# Altium PCB joy.PcbDoc
Units mil, origin at the board's own origin, x right, y up, seen from the top; angles counter-clockwise.
Board outline 3891.38 x 2896.04 mil, 2 copper layers (Top Layer, Bottom Layer); 39 components, 50 nets, 167 pads, 64 vias.
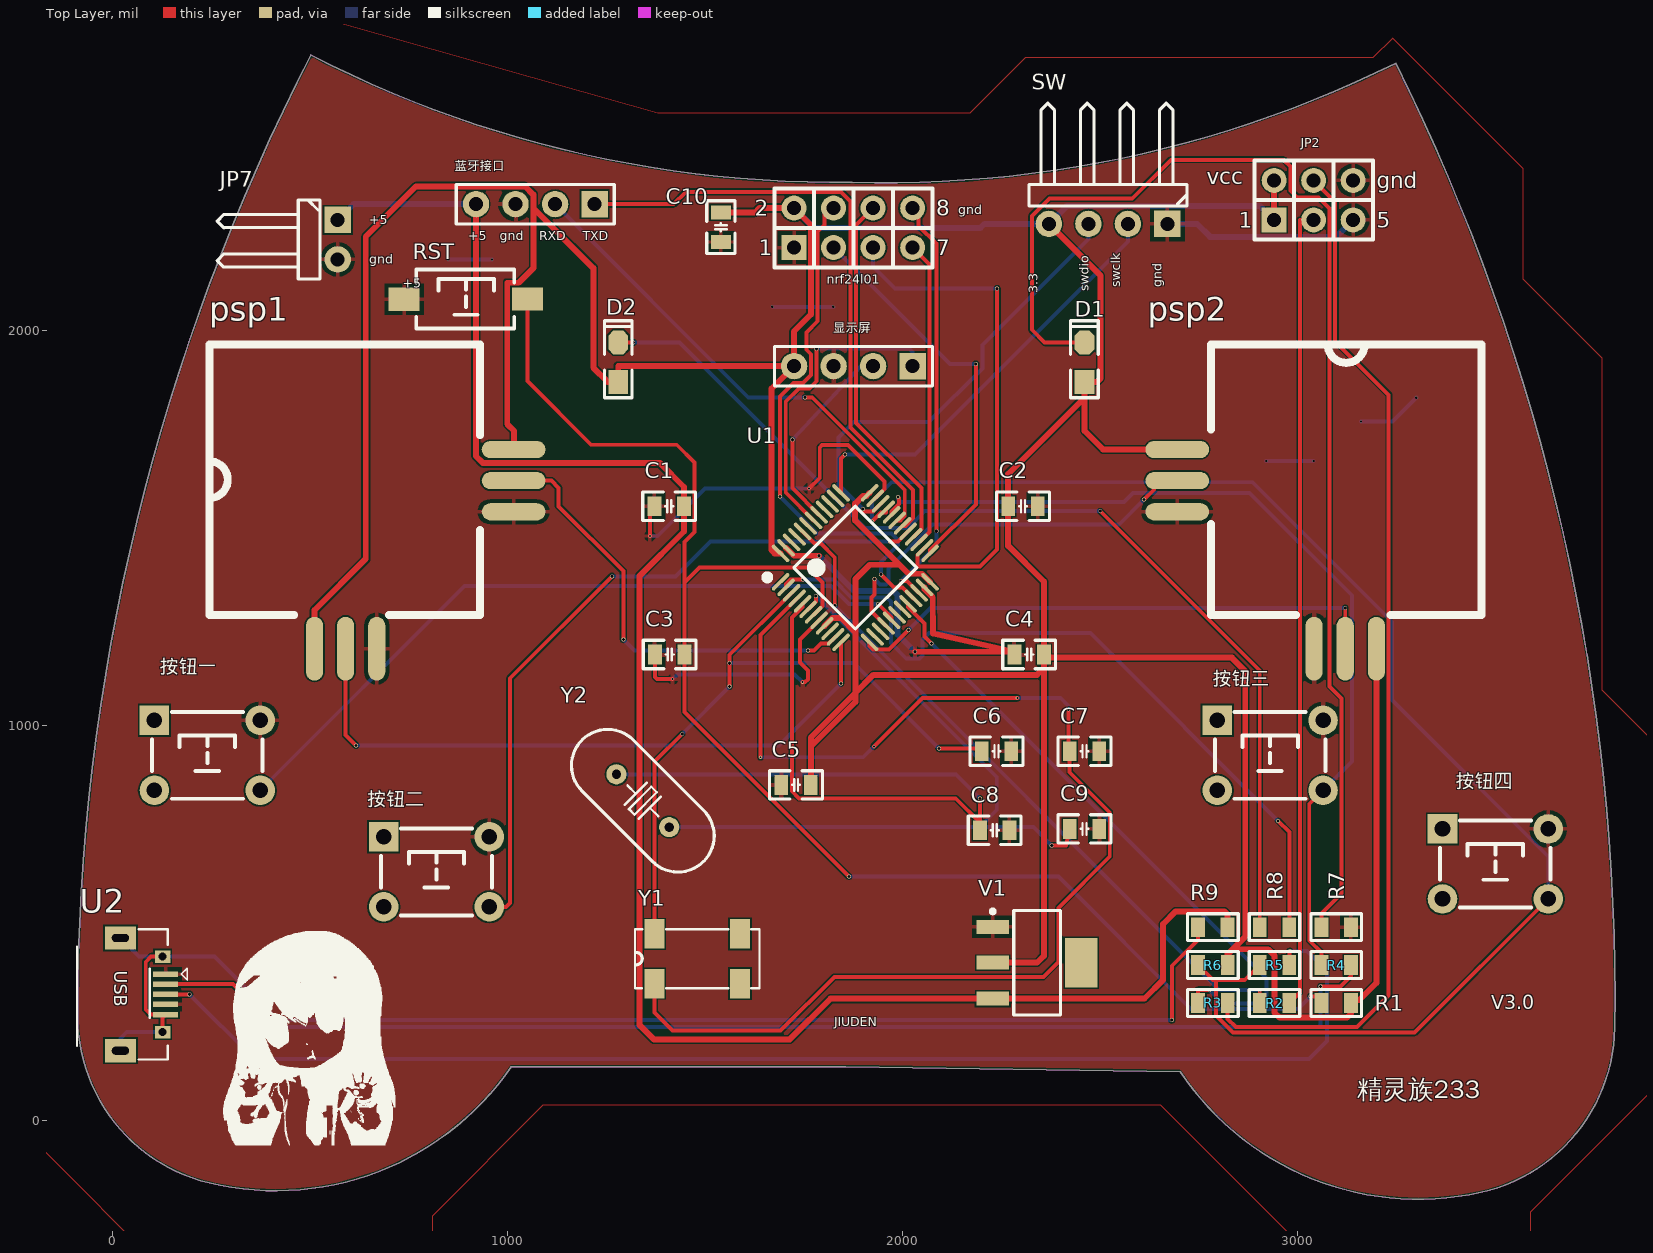
[diagram p0: Top Layer view]
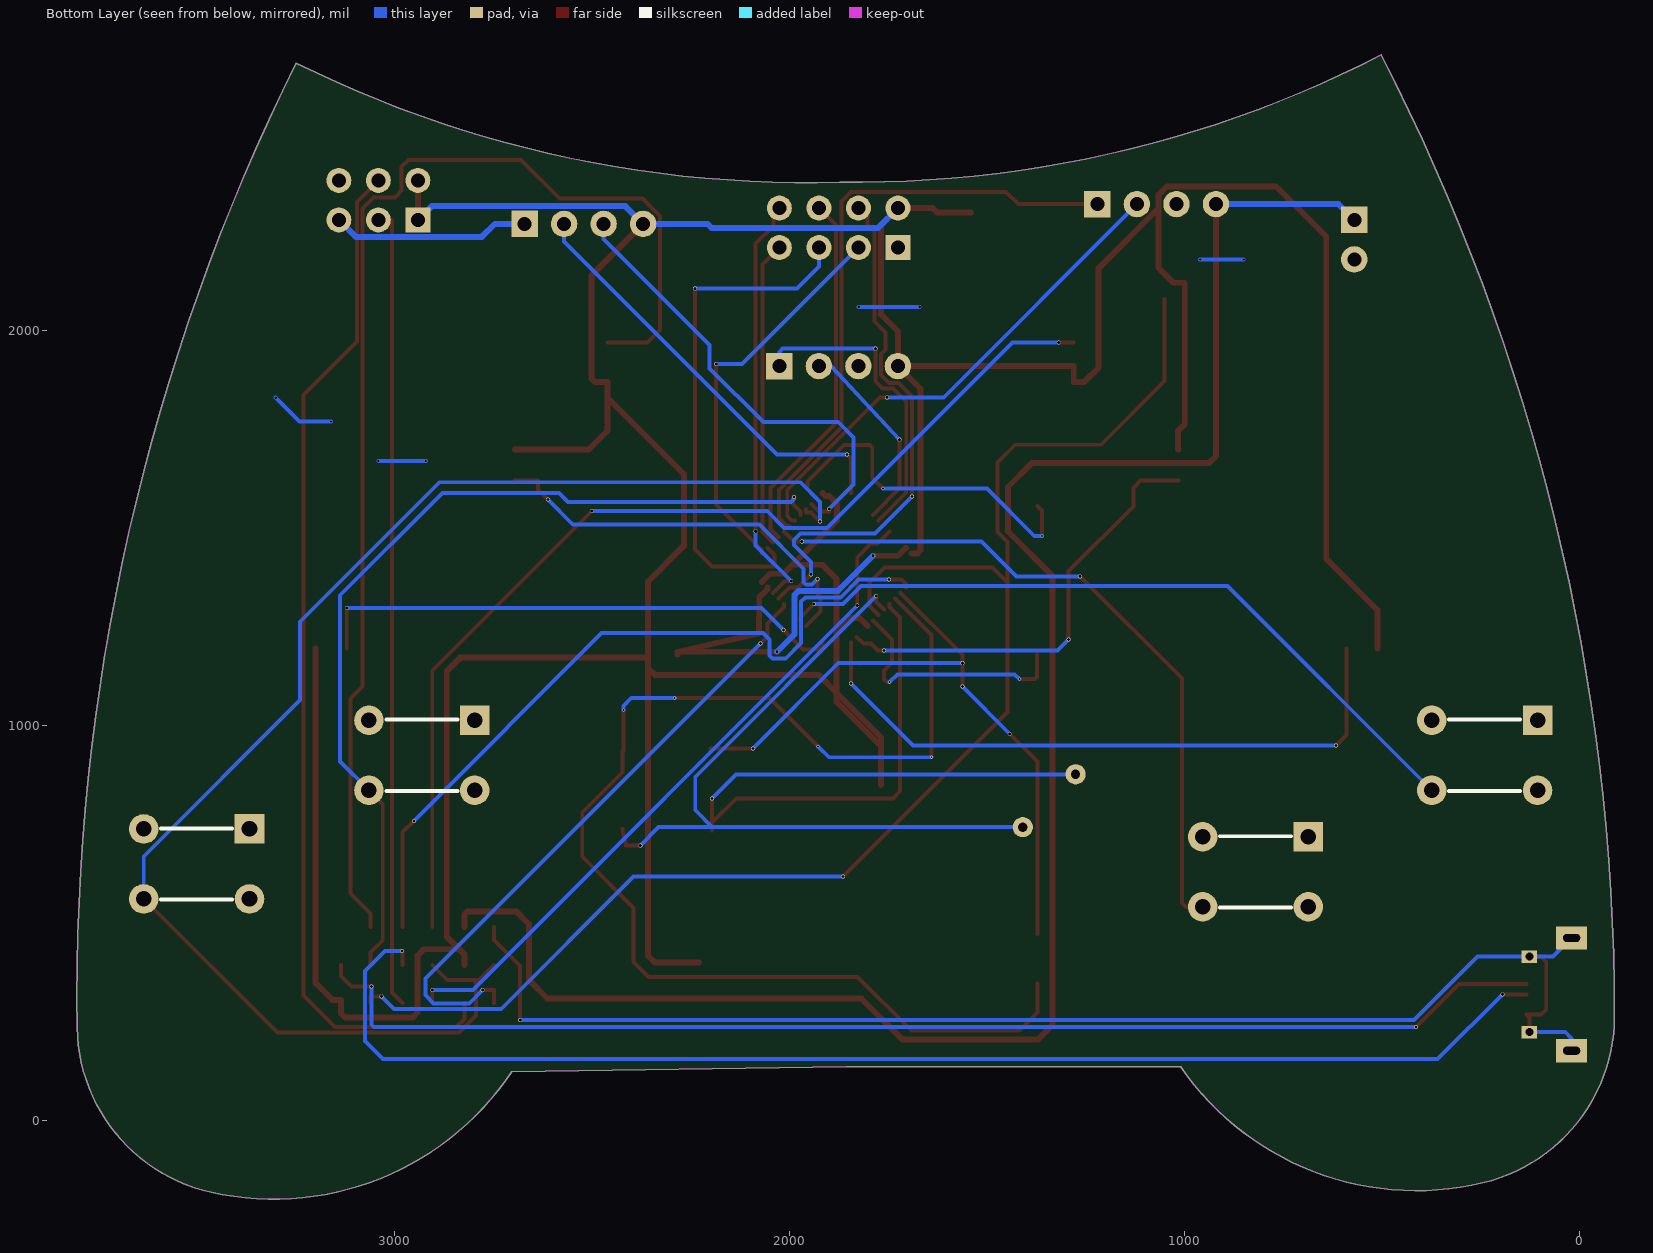
[diagram p1: Bottom Layer view, seen from below]

## Layer stack, top to bottom
Top Solder: solder mask 0.4, Solder Resist, Dk 3.5
Top Layer: signal copper 1.4
Dielectric 1: dielectric 12.6, FR-4, Dk 4.8
Bottom Layer: signal copper 1.4
Bottom Solder: solder mask 0.4, Solder Resist, Dk 3.5

## Board outline
244.5,-157.25 cw(c345.17,264.58) -88.5,264.58 cw(c5216.45,264.58) 502.27,2697.5 ccw(c1828.77,5267.79) 1872.79,2375.72 ccw(c1960.09,5266.81) 3247.97,2676.96 cw(c-1502.07,314.84) 3802.28,235.47 cw(c3368.66,241.96) 3463,-181.32 cw(c3305.38,525.91) 2702.44,124.04 1856.04,136.71 1009.55,136.71 cw(c412.69,547.55)

## Design rules (kind name [scope] priority, off if disabled: settings)
Clearance [All] p1: gap=3.94 ignorepadtopadclearanceinfootprint=FALSE except(6.69: Arc-Via Track-Via; 9.84: Via-Via)
PolygonConnect [All] p1: connectstyle=Relief reliefconductorwidth=10 reliefentries=4 polygonreliefangle="90 Angle" airgapwidth=10
RoutingVias [All] p1: holewidth=8 width=10 viastyle="Through Hole" minholewidth=3 minwidth=4 maxholewidth=5 maxwidth=8
SolderMaskExpansion [All] p1: expansion=4
Width POWER [InNetClass('power')] p1: maxlimit=40 minlimit=5 preferedwidth=15
Width [All] p2: maxlimit=10 minlimit=5 preferedwidth=10
30 further rules are at their usual default settings.

## Classes and differential pairs
net class power: +5 GND VCC

## Components (designator, comment, footprint, x,y, rotation, side; value= is the part's Value field where it differs from the comment)
C1 "106" "C 0805_L" 1408.99,1555.57 r0 top
C2 "104" "C 0805_L" 2304.33,1555.56 r180 top
C3 "104" "C 0805_L" 1410,1180 r0 top
C4 "104" "C 0805_L" 2320,1180 r0 top
C5 "104" "C 0805_L" 1730,850 r0 top
C6 "104" "C 0805_L" 2237.4,935 r0 top
C7 "104" "C 0805_L" 2460,935 r0 top
C8 "104" "C 0805_L" 2232.6,735 r180 top
C9 "104" "C 0805_L" 2460,738.58 r180 top
C10 "10uf" "C 0805_L" 1539.8,2261.58 r90 top
D1 "LED" "LED 0805G" 2460,1920 r90 top
D2 "LED" "LED 0805G" 1280,1920 r90 top
JP2 "Header3X2" HDR2.54-LI-2x3P 3040,2330 r0 top
JP7 "HDR-1X2" HDR2.54-WI-2P 570,2230 r270 top
nrf24l01 "Header 4X2" HDR2.54-LI-2x4P 1875,2260 r0 top
psp1 "1" PSP摇杆 590,1620 r0 top
psp2 "" PSP摇杆 3120,1620 r270 top
R1 "10K" "R 0805_L" 3097.05,298 r0 top
R2 "1K" "R 0805_L" 2941.05,298 r0 top
R3 "1K" "R 0805_L" 2785.05,298 r180 top
R4 "1K" "R 0805_L" 3097.04,394 r180 top
R5 "1K" "R 0805_L" 2941.04,394 r180 top
R6 "1K" "R 0805_L" 2785.04,394 r180 top
R7 "680" "R 0805_L" 3097.05,490 r180 top
R8 "680" "R 0805_L" 2941.05,490 r0 top
R9 "1K" "R 0805_L" 2785.05,490 r0 top
RST "3x6x5" "TSW SMD-3*6*2.5" 895.2,2080 r0 top (schematic designator SW1)
SW "HDR-1X4" HDR2.54-WI-4P 2520,2270 r180 top
U1 "STM32F103C8T6" "TQFP48 7x7_L" 1880,1400 r315 top
U2 "USB-mrico" USB-micro_B 20,320 r270 top
V1 "AMS1117-3V3" SOT223_L 2340,400 r0 top
Y1 "32.768K" MC-306 1480,410 r0 top
Y2 "12MHz" "OSC HC-49S" 1342.18,810 r135 top
按钮一 "6x6x5" "TSW DIP-6*6*6" 240,925 r0 top (schematic designator SW2)
按钮三 "6x6x5" "TSW DIP-6*6*6" 2930,925 r0 top (schematic designator SW4)
按钮二 "6x6x5" "TSW DIP-6*6*6" 820,630 r0 top (schematic designator SW3)
按钮四 "6x6x5" "TSW DIP-6*6*6" 3500,650 r0 top (schematic designator SW5)
显示屏 "HDR-1X4" HDR2.54-M-LI-4P 1875,1910 r180 top (schematic designator JP6)
蓝牙接口 "HDR-1X4" HDR2.54-M-LI-4P 1070,2320 r180 top (schematic designator JP5)

## Footprints (in the part's own frame and the unit in brackets; to place one, negate y for a bottom-side part, rotate by r counter-clockwise, add the part's x,y. Pads: shape width x height; smd on the part's side, far side on the other; paste and mask are expansions set on the pad)
"C 0805_L" [mil] "无极性贴片电容                                        淘宝ID:黄晶宝石"
  rect 35x50 smd: 1(-37.4,0) 2(37.4,0)
  silkscreen extent -67,-36 67,36, body extent -39,-24 39,24, height 20
HDR2.54-LI-2x3P [mm] "双排排针，3x2脚"
  rect 1.6x1.6 hole 0.9: 1(-2.54,-1.27)
  round 1.6 hole 0.9: 2(-2.54,1.27) 3(0,-1.27) 4(0,1.27) 5(2.54,-1.27) 6(2.54,1.27)
  silkscreen extent -3.81,-2.54 3.81,2.54, body extent -3.81,-2.54 3.81,2.54, height 8.5
HDR2.54-LI-2x4P [mm] "双排排针，4x2脚"
  rect 1.6x1.6 hole 0.9: 1(-3.81,-1.27)
  round 1.6 hole 0.9: 2(-3.81,1.27) 3(-1.27,-1.27) 4(-1.27,1.27) 5(1.27,-1.27) 6(1.27,1.27) 7(3.81,-1.27) 8(3.81,1.27)
  silkscreen extent -5.08,-2.54 5.08,2.54, body extent -5.08,-2.54 5.08,2.54, height 8.5
HDR2.54-M-LI-4P [mm] "排母，4脚"
  rect 1.7x1.7 hole 0.9: 1(-3.81,0)
  round 1.7 hole 0.9: 2(-1.27,0) 3(1.27,0) 4(3.81,0)
  silkscreen extent -5.08,-1.27 5.08,1.27, body extent -5.08,-1.27 5.08,1.27, height 8.5
HDR2.54-WI-2P [mm] "弯脚排针，2脚"
  rect 1.7x1.7 hole 0.9: 1(-1.27,0)
  round 1.7 hole 0.9: 2(1.27,0)
  silkscreen extent -2.54,-7.76 2.54,-1.14, body extent -2.54,-7.77 2.54,1.27, height 4.85
HDR2.54-WI-4P [mm] "弯脚排针，4脚"
  rect 1.7x1.7 hole 0.9: 1(-3.81,0)
  round 1.7 hole 0.9: 2(-1.27,0) 3(1.27,0) 4(3.81,0)
  silkscreen extent -5.08,-7.76 5.08,-1.14, body extent -5.08,-7.77 5.08,1.27, height 4.85
"LED 0805G" [mil] "绿色0805LED"
  rect 60x50 smd: 1(-50,0)
  oct 60x50 smd: 2(50,0)
  silkscreen extent -90,-35 105,35, body extent -39,-25 39,25, height 32
MC-306 [mm]
  rect 1.3x1.9 smd: 1(-2.75,-1.6) 2(2.75,-1.6) 3(2.75,1.6) 4(-2.75,1.6)
  silkscreen extent -4,-1.9 4,1.9
"OSC HC-49S" [mm]
  round 1.3 hole 0.6: 1(-2.4,0) 2(2.4,0)
  silkscreen extent -5.52,-2.32 5.52,2.33, body extent -5.52,-2.32 5.53,2.33, height 4.13
PSP摇杆 [mm]
  oval 4.1x1.1 smd: 1(10.8,2) 2(10.8,0) 3(10.8,-2)
  oval 1.1x4.1 smd: 4(-2,-10.8) 5(0,-10.8) 6(2,-10.8)
  silkscreen extent -8.76,-8.64 8.64,8.76
"R 0805_L" [mil] "1/8W贴片电阻"
  rect 35x50 smd: 1(-37.4,0) 2(37.4,0)
  silkscreen extent -64,-34 64,34, body extent -39,-25 39,25, height 20
SOT223_L [mm] "SOT223, 4-Leads, Body 6.5x3.5mm, Pitch 2.3mm, Lead Span 7mm, IPC High Density"
  rect 2.1x0.9 smd: 1(-2.85,2.3) 2(-2.85,0) 3(-2.85,-2.3)
  rect 2.1x3.2 smd: 4(2.85,0)
  silkscreen extent -2.97,-3.35 1.5,3.42, body extent -1.85,-3.35 1.85,3.35, height 1.7
"TQFP48 7x7_L" [mm] "48脚，体宽：7x7mm, 脚距：0.5mm"
  oval 0.25x1.5 smd: 1(-2.75,-4.046) 2(-2.25,-4.046) 3(-1.75,-4.046) 4(-1.25,-4.046) 5(-0.75,-4.046) 6(-0.25,-4.046) 7(0.25,-4.046) 8(0.75,-4.046) 9(1.25,-4.046) 10(1.75,-4.046) 11(2.25,-4.046) 12(2.75,-4.046) 25(2.75,4.046) 26(2.25,4.046) 27(1.75,4.046) 28(1.25,4.046) 29(0.75,4.046) 30(0.25,4.046) 31(-0.25,4.046) 32(-0.75,4.046) 33(-1.25,4.046) 34(-1.75,4.046) 35(-2.25,4.046) 36(-2.75,4.046)
  oval 1.5x0.25 smd: 13(4.046,-2.75) 14(4.046,-2.25) 15(4.046,-1.75) 16(4.046,-1.25) 17(4.046,-0.75) 18(4.046,-0.25) 19(4.046,0.25) 20(4.046,0.75) 21(4.046,1.25) 22(4.046,1.75) 23(4.046,2.25) 24(4.046,2.75) 37(-4.046,2.75) 38(-4.046,2.25) 39(-4.046,1.75) 40(-4.046,1.25) 41(-4.046,0.75) 42(-4.046,0.25) 43(-4.046,-0.25) 44(-4.046,-0.75) 45(-4.046,-1.25) 46(-4.046,-1.75) 47(-4.046,-2.25) 48(-4.046,-2.75)
  silkscreen extent -3.68,-4.57 2.79,2.79, body extent -4.5,-4.5 4.5,4.5, height 1.05
"TSW DIP-6*6*6" [mm] "6*6*6mm"
  rect 1.9x1.9 hole 1: 1(-3.4,2.25)
  round 1.9 hole 1: 2(-3.4,-2.25) 3(3.4,-2.25) 4(3.4,2.25)
  silkscreen extent -3.56,-2.79 3.56,2.79, body extent -4.11,-3 4.11,3, height 5.95
"TSW SMD-3*6*2.5" [mm] "3*6*2.5mm"
  rect 2x1.5 smd: 1(-3.996,-0.02) 2(3.937,0)
  silkscreen extent -3.21,-1.9 3.09,1.9, body extent -4,-1.88 4,1.62, height 2.59
USB-micro_B [mm] "micro型USB ，5.7*7.8*2.5mm"
  rect 0.35x1.6 smd: 1(-1.3,2.9) 2(-0.65,2.9) 3(0,2.9) 4(0.65,2.9) 5(1.3,2.9)
  rect 1.5x2 hole 0.5 slot 1.1 at 90 deg: 5(-3.625,0) 5(3.625,0)
  rect 0.8x1 hole 0.5: 5(-2.425,2.71) 5(2.425,2.71)
  silkscreen extent -4.19,-2.79 4.19,4.3, body extent -4,-2.71 4,2.89, height 2.8

## Part data
C1 C2 C3 C4 C5 C6 C7 C8 C9 C10: library part C, "贴片电容"
JP2: library part "Header 3X2", "3*2P接插件"
JP7: library part "Header 2", "2P接插件"
nrf24l01: "4*2P接插件"
psp1 psp2: library part PSP摇杆
R1 R2 R3 R4 R5 R6 R7 R8 R9: library part R, "贴片电阻"
RST: library part "TSW 3x6", "3x6轻触开关", BOM名称=3x6, 学习资源=https://shop463601444.t
SW 显示屏 蓝牙接口: library part "Header 4", "4P接插件"
  显示屏 蓝牙接口: BOM名称=4, 学习资源=https://shop463601444.t
U2: library part usb-STM
V1: library part AMS1117, "三端稳压芯片", 欢迎光临淘宝店铺=https://sho, 淘宝ID=封
Y1: library part XTAL, LatestRevisionDate=17-Jul-2002, LatestRevisionNote="Re-released for DXP Platform.", Published=8-Jun-2000, Publisher="Altium Limited"
Y2: library part XTAL-2P, "2脚无源脚晶振"
按钮一 按钮三 按钮二 按钮四: library part "TSW DIP-6x6", "直插6x6轻触开关", BOM名称=ֱ, 唯一出售店铺网址=https://sho

## Via types
v1: diameter 10, hole 8, Top Layer to Bottom Layer, 48 vias
v2: diameter 5.91/5.91 (per signal layer), hole 5.91, Top Layer to Bottom Layer, 8 vias
v3: diameter 8, hole 5, Top Layer to Bottom Layer, 8 vias

## Nets (pads, with @x,y where several pads share a name; then routed paths per layer and width w, separated by ;. In a path a pad name is that pad's centre, name@x,y a point inside that pad or via, vN(x,y) a via of type N, cw(c..) or ccw(c..) an arc to the next point about the centre after c; other vN are vias at no path point)
+5: C1.2 JP7.1 R9.2 V1.3 蓝牙接口.4 | length 4727.6
  Top Layer w15: 蓝牙接口.4 920,1682 937,1665 1385.39,1665 1446.39,1604 C1.2 1446.39,1491.39 1334,1379 1334,242 1370,206 1714,206 1817.45,309.45 V1.3 2612,309.45 2659,356.45 2659,498 2691,530 2814.44,530 2822.44,522 R9.2
  Bottom Layer w15: JP7.1 610,2320 蓝牙接口.4
BOOT0: R2.1 U1.44 | length 1742.5
  Top Layer w10: U1.44 1777.24,1461 1793,1461 1828,1426 v1(1828,1303.85) ; R2.1 v1(2903.64,331)
  Bottom Layer w10: v1(1828,1303.85) 2800.85,331 v1(2903.64,331)
BOOT1: R3.2 U1.20 | length 1595.3
  Top Layer w10: U1.20 2013.52,1300.01 2055,1258.52 2055,1226 v1(2073,1208) ; R3.2 2747.65,331 v1(2776,331)
  Bottom Layer w10: v1(2073,1208) 2921,360 2921,318 2900,297 2810,297 v1(2776,331)
GND: C1.1 C2.1 C3.1 C4.1 C5.1 C6.2 C7.2 C8.1 C9.1 C10.1 JP2.5 JP2.6 JP7.2 nrf24l01.1 psp1.3 psp1.6 psp2.3 psp2.6 R7.1 RST.1 SW.1 U1.8 U1.23 U1.35 U1.47 U2.1 U2.4 V1.1 按钮一.4 按钮三.4 按钮二.4 按钮四.4 显示屏.3 蓝牙接口.3 | length 3684.6
  Top Layer w10: v3(1360,1480) 1360,1543.98 C1.1 ; C3.1 1372.6,1123.59 1378.45,1117.73 v3(1417.73,1117.73) ; v3(1746.48,1110) 1753.08,1110 1760,1116.92 1760,1140 1740,1160 1740,1218.24 U1.8 ; v3(1763,1600) 1790,1627 1790,1704.14 1795.86,1710 1862,1710 1953.7,1618.3 1953.7,1599.08 1930,1575.39 U1.35
  Top Layer w15: U1.47 1724.72,1430 v1(1788,1430) ; v1(2031,1187) C4.1@2282.6,1187 ; U1.23 2055.27,1345.3 2076,1324.57 2077,1233 C4.1@2282.6,1187 ; C4.1 C4.1@2282.6,1187
  Bottom Layer w10: v2(850,2180) v2(960,2180) ; v3(1360,1480) 1380,1480 1500,1600 v3(1763,1600) ; v3(1417.73,1117.73) 1430,1130 1726.48,1130 v3(1746.48,1110) ; v2(1670,2060) v2(1824.43,2060) ; v2(2920,1670) v2(3040,1670) ; v2(3160,1770) 3240,1770 v2(3300,1830)
  Bottom Layer w15: v1(1788,1430) 1876.87,1341.13 1976,1341.13 1987.13,1330 1987.13,1230.87 v1(2031,1187) ; SW.1 2745,2270 2778,2237 3097,2237 JP2.5
NetD1_2: D1.2 R7.2 | length 3186.1
  Top Layer w10: D1.2 2359,1970 2327,2002 2327,2290 2371,2334 2581,2334 2679,2432 2964,2432 2981,2415 2981,2354 2998,2337 3052.43,2337 3080.43,2309 3080.43,1099.57 3111,1069 3111,575.35 3059.65,524 R7.2
NetD2_2: D2.2 R8.1 | length 2652.4
  Top Layer w10: D2.2 v1(1318,1970) ; v1(2500,1543) 2903.64,1139.36 R8.1
  Bottom Layer w10: v1(1318,1970) 1435.31,1970 1905,1500.31 2013,1500.31 2055.69,1543 v1(2500,1543)
NetJP2_3: JP2.3 R2.2 | length 2028
  Top Layer w10: R2.2 3005,324.55 3005,2280 JP2.3
NetJP2_4: JP2.4 R3.1 | length 2631.1
  Top Layer w10: R3.1 2822.45,258 2843.45,237 3150,237 3230,317 3230,1837 3094.37,1972.63 3094.37,2325.63 JP2.4
NetR4_1: R4.1 U2.2 | length 3183.3
  Top Layer w10: U2.2 305,345.59 v1(413.59,237) ; v1(3057,340) 3108,340 3134.45,366.45 R4.1
  Bottom Layer w10: v1(413.59,237) 3051,237 3057,243 v1(3057,340)
NetR5_1: R5.1 U2.3 | length 3355.6
  Top Layer w10: U2.3 v1(195,320) ; R5.1 2978.45,428.45 v1(2980,430)
  Bottom Layer w10: v1(195,320) 359,156 3028,156 3074,202 3074,379 3023,430 v1(2980,430)
NetR9_1: R9.1 U2.5 | length 3425.2
  Top Layer w10: U2.5@126.69,224.53 126.69,261.34 134.17,268.82 97.31,268.82 84.13,282 84.13,402 97.6,415.47 U2.5@126.69,415.47 ; v1(2681,255) 2681,391.36 2747.64,458 R9.1
  Bottom Layer w10: U2.5@20,177.28 20,208.53 36,224.53 U2.5@126.69,224.53 ; U2.5@20,462.72 67.24,415.47 126.69,415.47 258.53,415.47 419,255 v1(2681,255)
NRST: C3.2 R1.1 RST.2 U1.7 | length 3784.4
  Top Layer w10: RST.2 1050,2080 1050,1872 1211,1711 1428,1711 1473,1666 1473,1490 1447.4,1464.4 1447.4,1362 ; U1.7 1797,1303.08 1797,1362 1759,1400 1485.4,1400 1447.4,1362 ; v1(1864,618) 1447.4,1034.6 C3.2 1447.4,1362 ; v1(3032,315) 3059.64,315 R1.1
  Bottom Layer w10: v1(1864,618) 2394,618 2729,283 3000,283 v1(3032,315)
OSCIN: C8.2 U1.5 Y2.2 | length 2019.2
  Top Layer w10: U1.5 1746.48,1300.01 1720,1273.52 1720,834 1738,816 2134.2,816 C8.2@2195.2,755 ; C8.2 C8.2@2195.2,755 ; v1(2195.2,816) C8.2@2195.2,755
  Bottom Layer w10: Y2.2 2134.38,876.81 v1(2195.2,816)
OSCOUT: C9.2 U1.6 Y2.1 | length 1900.3
  Top Layer w10: U1.6 1780,1313.92 v1(1780,1328) ; v1(2377,697) 2413.6,697 C9.2
  Bottom Layer w10: Y2.1 2195.19,743.19 ; v1(1780,1328) 2238,870 2238,786 2195.19,743.19 ; v1(2377,697) 2330.81,743.19 2195.19,743.19
PA0: U1.10
PA1: psp1.2 U1.11 | length 1136.2
  Top Layer w10: psp1.2 1111,1620 1129,1602 1129,1555 1293,1391 v1(1293,1218) ; v1(1760,1190) 1775.55,1190 1792.94,1207.39 1812.66,1207.39 U1.11
  Bottom Layer w10: v1(1293,1218) 1321,1190 v1(1760,1190)
PA2: psp1.5 U1.12 | length 1652.4
  Top Layer w10: psp1.5 590,976 v1(616,950) ; v1(1843.92,1106.92) U1.12
  Bottom Layer w10: v1(616,950) 1687,950 v1(1843.92,1106.92)
PA3: psp2.2 U1.13 | length 1363.1
  Top Layer w10: U1.13 1916.08,1202 1925.08,1193 1965,1193 v1(2014.42,1242.42) ; psp2.2 v1(3120,1298)
  Bottom Layer w10: v1(2014.42,1242.42) 2070,1298 v1(3120,1298)
PA4: U1.14
PA5: U1.15
PA6: psp2.5 U1.16 | length 1050.8
  Top Layer w10: v1(1928.75,1371.31) 1928.75,1332.14 1921.31,1324.69 1921.31,1289.1 U1.16 ; v1(2611,1572) 2636,1597 2636,1620 psp2.5
  Bottom Layer w10: v1(1928.75,1371.31) 1942.48,1357.57 1958.26,1357.57 1963.68,1362.98 1963.68,1397.05 2075.62,1509 2548,1509 v1(2611,1572)
PA7: U1.17 按钮一.3 | length 1852.4
  Top Layer w10: v1(1938,1308) 1971.76,1274.24 U1.17
  Bottom Layer w10: 按钮一.3 890.57,1353.13 1818.49,1353.13 1863.62,1308 v1(1938,1308)
PA8: U1.29 按钮二.3 | length 1786.4
  Top Layer w10: 按钮二.3 996,541.42 1006,551.42 1006,1120 v1(1264,1378) ; v1(1968.24,1466) 1987.76,1466 U1.29
  Bottom Layer w10: v1(1264,1378) 1425,1378 1513,1466 v1(1968.24,1466)
PA9: U1.30 蓝牙接口.1 | length 1572.8
  Top Layer w10: 蓝牙接口.1 1420,2320 1451,2351 1844,2351 1868,2327 1868,1755.05 2026.18,1596.88 2026.18,1525.21 2006.64,1505.68 U1.30
PA10: U1.31 蓝牙接口.2 | length 1274.8
  Top Layer w10: v1(1753,1831) 1771,1831 2005.18,1596.83 2005.18,1530.96 1993.82,1519.6 U1.31
  Bottom Layer w10: 蓝牙接口.2 1609,1831 v1(1753,1831)
PA11: R4.2 U1.32 按钮三.3 | length 2322.3
  Top Layer w10: U1.32 1971.78,1541.77 1991,1560.99 1991,1576 v1(1988,1579) ; R4.2 3059.65,426 3029,456.65 3029,801.56 按钮三.3
  Bottom Layer w10: v1(1988,1579) 1988,1574 1996,1566 2560,1566 2583,1589 2878,1589 3137,1330 3137,909.56 按钮三.3
PA12: R5.2 R6.2 U1.33 按钮四.3 | length 3726.6
  Top Layer w10: v1(1922,1517) 1945,1540 1957.84,1540 U1.33 ; R6.2 2773.33,368.33 2785.65,356 2793,356 ; R5.2 2865.64,356 2793,356 ; 按钮四.3 3295.44,223 2836,223 2793,266 2793,356
  Bottom Layer w10: v1(1922,1517) 1922,1566 1972,1616 2885,1616 3238,1263 3238,1064.86 3633.86,669 按钮四.3
PA15: U1.38
PB0: U1.18
PB1: U1.19
PB3: U1.39
PB4: U1.40
PB5: U1.41 显示屏.2 | length 503.6
  Top Layer w10: v1(1720.76,1723.76) 1720.76,1601 U1.41
  Bottom Layer w10: v1(1720.76,1723.76) 1894,1910 显示屏.2
PB6: U1.42 显示屏.1 | length 793.7
  Top Layer w10: U1.42 1704,1589.92 1704,1820.28 1737.38,1853.66 1764,1853.66 1782,1871.66 v1(1782,1954)
  Bottom Layer w10: v1(1782,1954) 2017,1954 2025,1946 显示屏.1
PB7: U1.43
PB8: U1.45
PB9: U1.46
PB10: nrf24l01.4 U1.21 | length 1380.2
  Top Layer w10: v1(1689.49,1579.72) 1689.49,1833.49 1723.6,1867.6 1748,1867.6 1767.4,1887 1767.4,1940 1756,1951.4 1756,1995 1784.57,2023.57 1784.57,2250 1802,2267.43 1802,2310 nrf24l01.4 ; v1(1945,1383.05) 1978.31,1349.74 1999.85,1349.74 U1.21
  Bottom Layer w10: v1(1689.49,1579.72) 1782.84,1486.37 1972,1486.37 1988,1470.37 1988,1457.26 1945,1414.26 v1(1945,1383.05)
PB11: nrf24l01.8 U1.22 | length 1073.4
  Top Layer w10: v1(1995,1366.44) 2011,1366.44 U1.22 ; nrf24l01.8 2040,2310 2040,2265 2085,2220 v1(2085,1492)
  Bottom Layer w10: v1(1995,1366.44) 2085,1456.44 v1(2085,1492)
PB12: nrf24l01.3 U1.25 | length 1009.1
  Top Layer w10: U1.25 2069.19,1444.31 2185,1560.12 v1(2185,1915)
  Bottom Layer w10: nrf24l01.3 2120,1915 v1(2185,1915)
PB13: nrf24l01.5 U1.26 | length 1319.6
  Top Layer w10: U1.26 2037,1431.72 2037,1403 2196,1403 2239,1446 v1(2239,2106)
  Bottom Layer w10: nrf24l01.5 1925,2162 1981,2106 v1(2239,2106)
PB14: nrf24l01.7 U1.27 | length 774.9
  Top Layer w10: nrf24l01.7 2068,2167 2068,1490.56 U1.27
PB15: nrf24l01.6 U1.28 | length 926.4
  Top Layer w10: nrf24l01.6 1882,2267 1882,1766 2047,1601 2047,1497.4 U1.28
PC13: R8.2 U1.2 | length 1930.2
  Top Layer w10: U1.2 1704.73,1358.24 1716.49,1370 v1(1748,1370) ; v1(2950,759) 2978.44,730.56 R8.2
  Bottom Layer w10: v1(1748,1370) 1824.43,1370 1869.73,1324.69 1959.31,1324.69 1970,1314 1970,1209 2009,1170 2042,1170 2050,1178 2050,1218 2066,1234 2475,1234 v1(2950,759)
PC14: C6.1 U1.3 Y1.4 | length 1741.3
  Top Layer w10: Y1.4 1371.73,908.73 v1(1442,979) ; v1(1562,1099) v1(1562,1158) 1562,1179.44 U1.3 ; v1(2092,942) 2200,942 C6.1
  Bottom Layer w10: v1(1442,979) v1(1562,1099) ; v1(1562,1158) 1876,1158 v1(2092,942)
PC15: C7.1 U1.4 Y1.1 | length 3222.2
  Top Layer w10: Y1.1 1371.73,274 1417.73,228 1691,228 1827,364 2356,364 2394,402 2394,539 2524,669 2524,780.6 2422.6,882 C7.1 2420,937.59 v3(2420,1040) ; v3(1640,920) 1640,1229.6 U1.4 ; v3(1927.4,947.4) 2050,1070 v3(2290,1070)
  Bottom Layer w10: v3(1640,920) 1900,920 v3(1927.4,947.4) ; v3(2290,1070) 2400,1070 2420,1050 v3(2420,1040)
SWCLK: SW.2 U1.37 | length 1085.1
  Top Layer w10: U1.37 1843.92,1675.92 v1(1854,1686)
  Bottom Layer w10: v1(1854,1686) 2030.67,1686 2570,2225.33 SW.2
SWDIO: SW.3 U1.34 | length 1179.6
  Top Layer w10: v1(1899,1548) 1899,1542.21 1924.78,1542.21 U1.34
  Bottom Layer w10: v1(1899,1548) 1837,1610 1837,1729 1876,1768 2065.69,1768 2201.69,1904 2201.69,1963.69 2470,2232 SW.3
VBAT: U1.1
VCC: C2.2 C4.2 C5.2 C10.2 D1.1 D2.1 JP2.1 JP2.2 nrf24l01.2 psp1.1 psp1.4 psp2.1 psp2.4 R1.2 R6.1 SW.4 U1.9 U1.24 U1.36 U1.48 V1.2 显示屏.4 | length 12892.5
  Top Layer w15: psp1.4 511.26,1292.26 641,1422 641,2238 768,2365 1044,2365 1065,2344 1065,2310 ; psp1.1 1016,1698.74 1016,1746 999,1763 999,2121 1028,2121 1065,2158 1065,2310 ; C10.2 1626,2298.98 1637.02,2310 nrf24l01.2 1768,2267 1768,2041 1725,1998 显示屏.4 ; U1.48 1676,1436.08 1668,1444.08 1668,1853 显示屏.4 ; C5.2 1767.4,947.4 ; U1.9 1822,1272.41 1844,1272.41 1880,1236.41 ; U1.36 1908.3,1581.41 1898.96,1581.41 1879.54,1562 1879.54,1519.39 1991.74,1407.19 ; U1.24 2048.74,1384.38 2014.56,1384.38 1991.74,1407.19 ; V1.2 2340,400 2357.4,417.4 2357.4,1145.8 ; SW.4 2501,2139 2501,1879 2492,1870 D1.1 2460,1830.07 ; psp2.4 2507.26,1698.74 2460,1746 2460,1830.07 ; R6.1 2822.45,421.45 2835,434 ; JP2.1 JP2.2 ; psp2.1 3198.74,348.74 3156,306 3134.44,306 R1.2 3134.44,271.44 3124,261 2954,261 2941,274 2941,418 2925,434 2835,434 ; 1065,2310 1217,2158 1217,1906 1253,1870 D2.1 1280,1910 显示屏.4 ; 1767.4,947.4 1767.4,970 1880,1082.6 ; 1767.4,947.4 1880,1060 1880,1082.6 ; 1880,1082.6 1880,1236.41 ; 1880,1082.6 1925.8,1128.4 2340,1128.4 2357.4,1145.8 ; 1880,1236.41 1880,1370.85 1916.34,1407.19 1991.74,1407.19 ; 2357.4,1145.8 C4.2@2357.4,1172 ; C4.2@2357.4,1172 2833,1172 2867,1138 2867,466 2835,434 ; C4.2@2357.4,1172 C4.2 2357.4,1364.54 2266.93,1455 C2.2 2266.93,1637 2460,1830.07
  Bottom Layer w15: nrf24l01.2 1775,2260 2197,2260 2207,2270 SW.4 2415,2315 2905,2315 JP2.1
pads on no net: V1.4 Y1.2 Y1.3 按钮一.1 按钮一.2 按钮三.1 按钮三.2 按钮二.1 按钮二.2 按钮四.1 按钮四.2

## Polygon pours and split planes (outlines as drawn)
GND on Top Layer "GND_L01_P002" (solid, remove dead copper, pour order 2): 320,2770 -400,2050 -400,-280 -150,-530 2002,-530 2172,-360 3590,-360 4140,190 3890,440 3890,1610 3750,1750 3860,1860 3860,2630 3370,2630 3080,2920 2840,2680 670,2680 520,2830 490,2800 360,2800
GND on Top Layer "NONET_L01_P000" (solid, remove dead copper, shelved, pour order 0): -210,3000 -230,2980 -230,-20 170,-420 190,-400 810,-400 810,-240 1090,40 2652.45,40 3122.45,-430 3212.45,-340 3590,-340 3590,-230 3950,130 3950,910 3770,1090 3770,1930 3570,2130 3570,2410 3240,2740 3190,2690 2310,2690 2170,2550 1380,2550

## Keep-outs
Keep-Out Layer:
  the board outline again, w0.5

## Other copper
Top Layer:
  region: 1230,2110

## Silkscreen, mask and mechanical layers (free items; w line width, h text height)
Top Overlay:
  drawing of 2263 lines, arcs and shapes, not listed
  text "gnd" at 2140,2285 h40
  text "+5" at 650,2260 h40
  text "+5" at 900,2220 h40
  text "gnd" at 980,2220 h40
  text "RXD" at 1080,2220 h40
  text "TXD" at 1190,2220 h40
  text "gnd" at 650,2160 h40
  text "swclk" at 2560,2110 h40 r90
  text "gnd" at 2665,2110 h40 r90
  text "+5" at 735,2100 h40
  text "swdio" at 2480,2100 h40 r90
  text "3.3" at 2350,2095 h40 r90
  text "V3.0" at 3490,270 h60
  text "JIUDEN" at 1826.08,230 h40
  text "精灵族233" at 3150,40 h80

## Text inside footprints (layer, text, board x,y; h text height)
JP2: Top Overlay "1" at 2850,2260 h40; Top Overlay "vcc" at 2769,2370 h40; Top Overlay "5" at 3200,2260 h40; Top Overlay "gnd" at 3200,2360 h40
nrf24l01: Top Overlay "7" at 2085,2190 h40; Top Overlay "2" at 1625,2290 h40; Top Overlay "1" at 1635,2190 h40; Top Overlay "8" at 2085,2290 h40
U2: Top Overlay "USB" at 4.17,380 h32 r270